# Altium PCB EPS.PcbDoc (part 6 of 11) (continued)
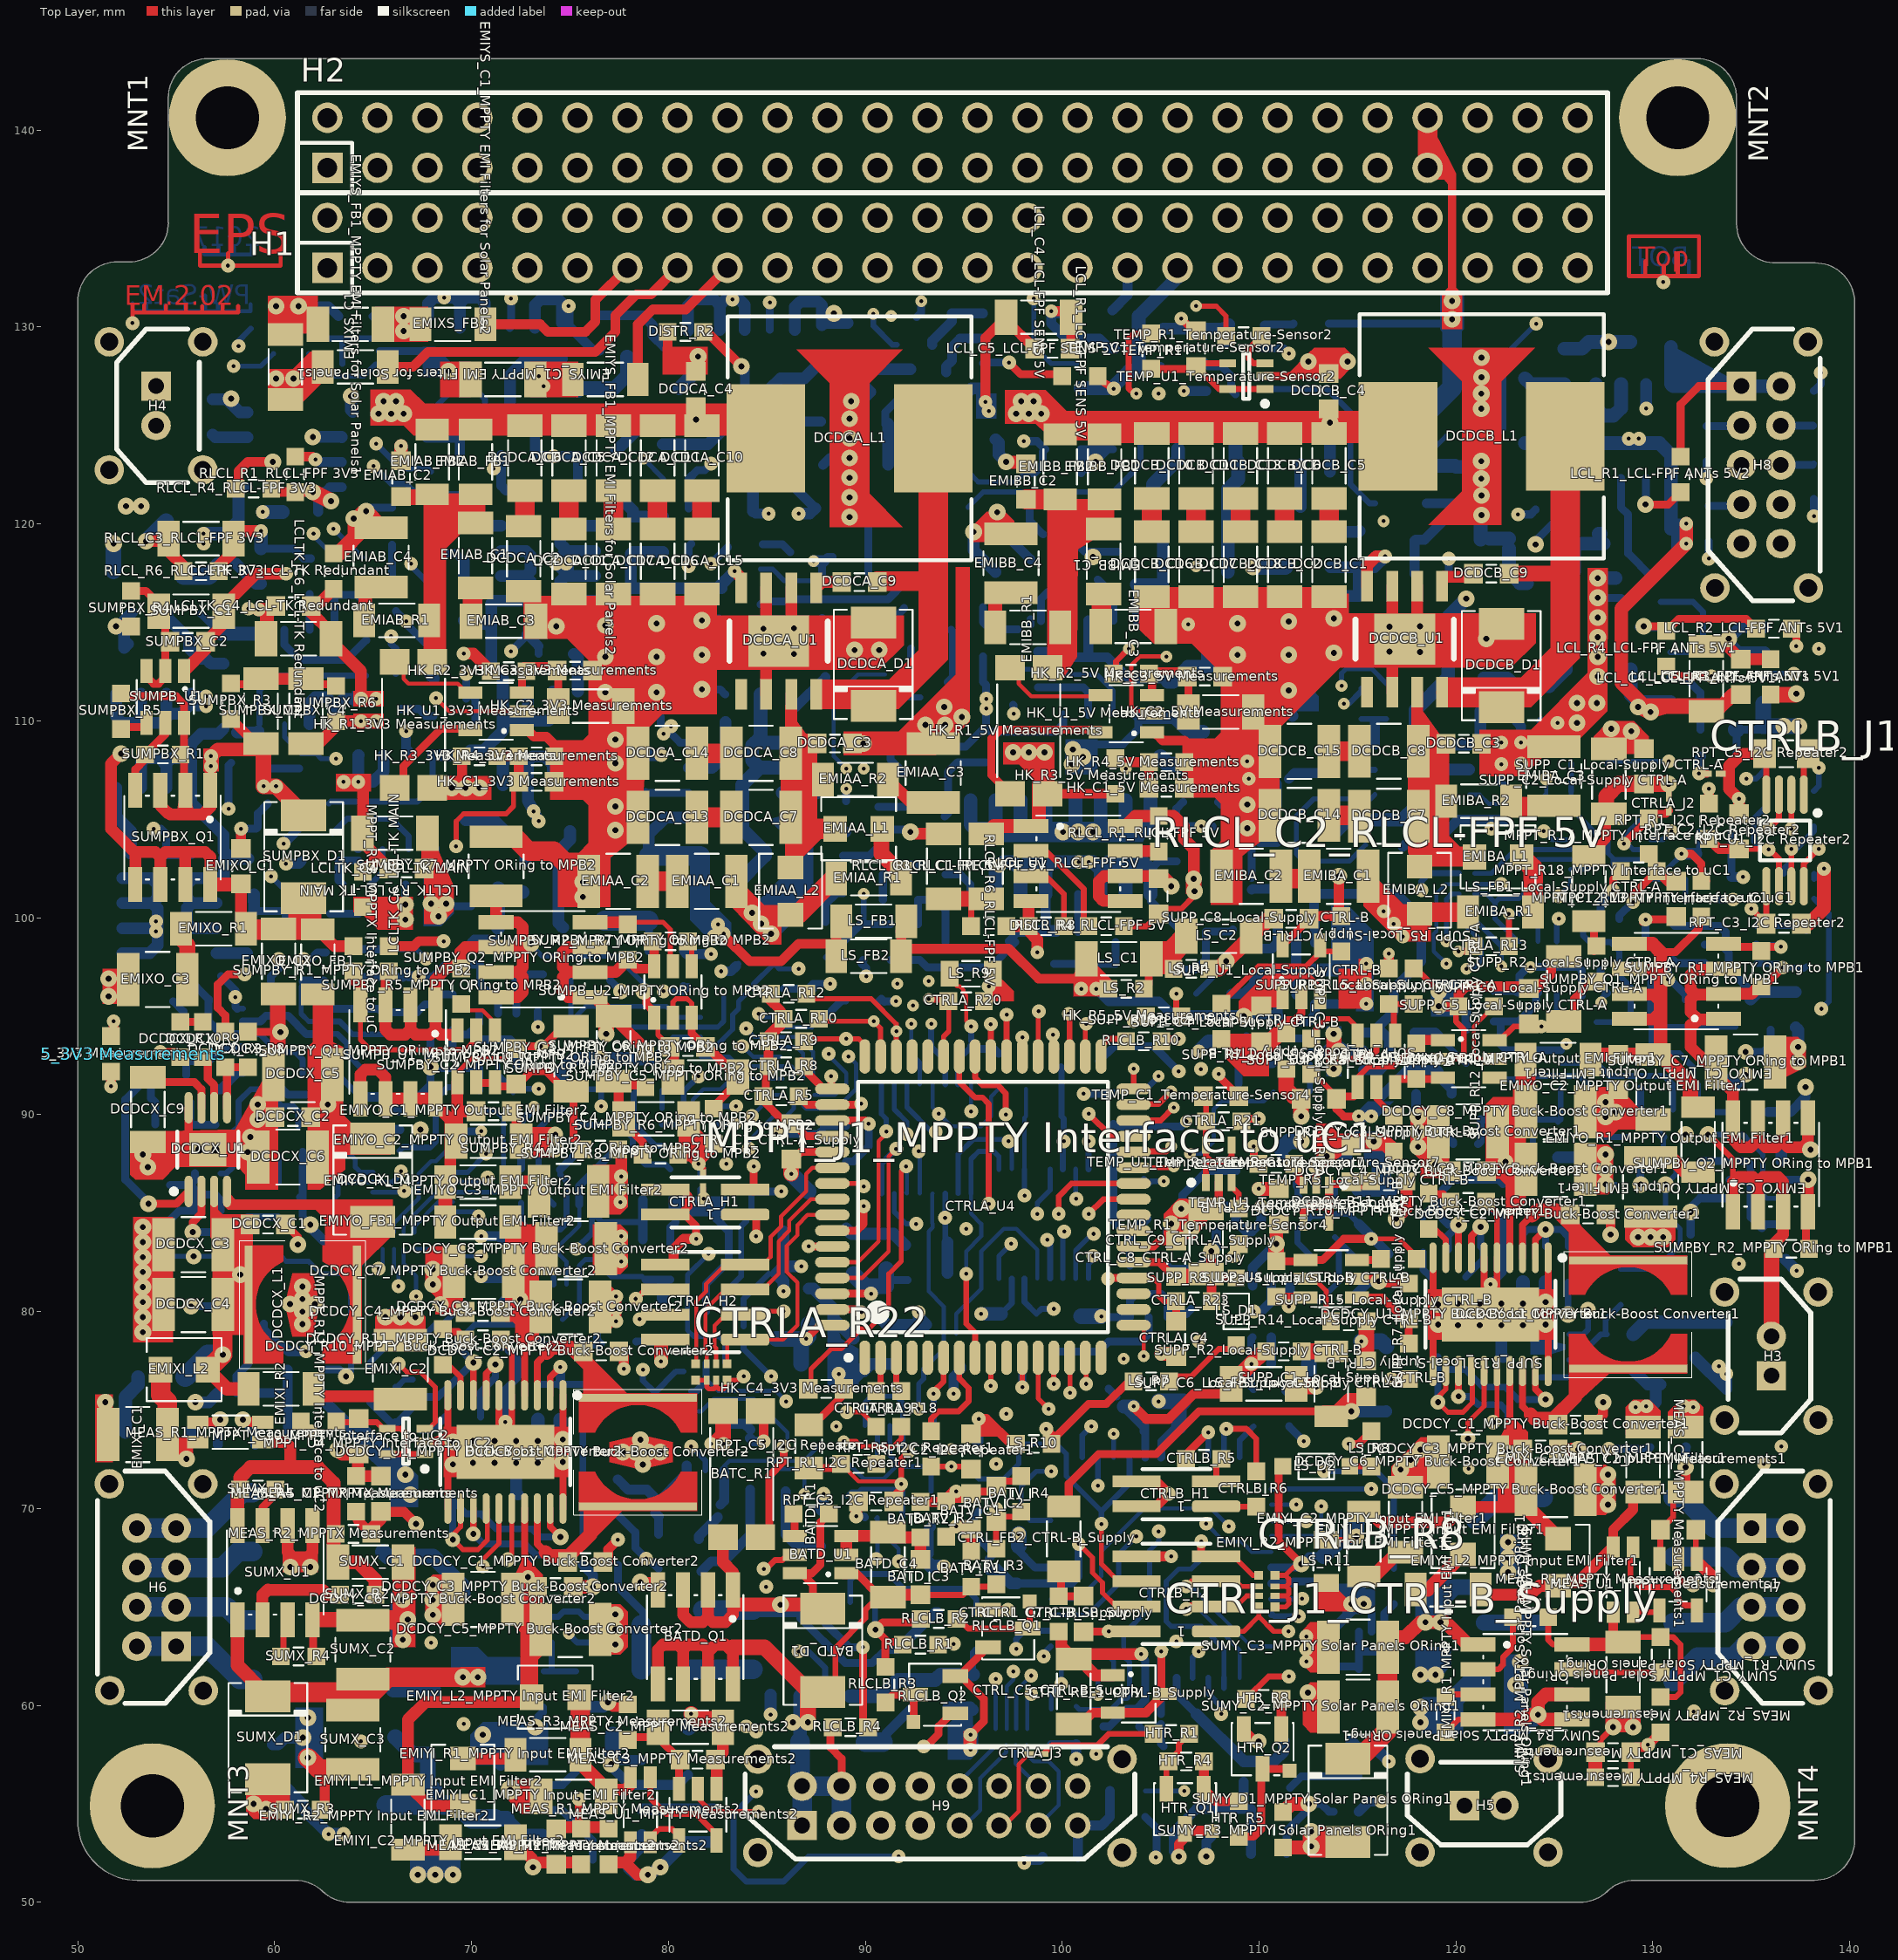
[diagram p0: Top Layer view]
## Nets (pads, with @x,y where several pads share a name; then routed paths per layer and width w, separated by ;. In a path a pad name is that pad's centre, name@x,y a point inside that pad or via, vN(x,y) a via of type N, cw(c..) or ccw(c..) an arc to the next point about the centre after c; other vN are vias at no path point) (continued)
  Top Layer w0.8: 83.274,62.954 84.874,62.954 BATD_D1.A@87.268,60.56 ; v2(87.084,59.144) 87.084,60.541 87.103,60.56 BATD_D1.A@87.268,60.56 ; BATD_D1.A@87.963,60.56 BATD_D1.A@87.268,60.56
  Bottom Layer w0.7: RLCLB_C5.1@86.688,58.144 RLCLB_U1.8@86.688,60.467
  Bottom Layer w1: RLCLB_C5.1@86.688,58.144 86.688,56.001 H9.9@86.79,55.898 ; H9.1@86.79,53.898 H9.9@86.79,55.898 ; H9.2@88.79,53.898 H9.10@88.79,55.898 H9.9@86.79,55.898
  other v2: 86.322,59.144
NetBATD_C3_2: BATD_C3.2 BATD_C4.2 BATD_R2.1 BATD_U1.2 BATD_U1.3 | length 6.2
  Top Layer w0.6: BATD_U1.2@89.029,67.653 89.029,68.476 88.902,68.603 BATD_U1.3@89.029,68.603 90.956,68.603 BATD_C4.2@91.148,68.795 91.412,68.531 BATD_R2.1@92.799,68.531 BATD_C3.2@92.799,67.41
NetBATD_Q1_G: BATD_Q1.G BATD_U1.5 | length 8.8
  Top Layer w0.3: v1(84.836,66.929) 84.963,66.929 85.407,67.373 85.788,67.373 BATD_U1.5@85.941,67.526
  Top Layer w0.5: v2(78.575,66.256) 79.355,66.256 BATD_Q1.G@79.469,66.37
  Power w0.3: v2(78.575,66.256) 84.163,66.256 v1(84.836,66.929)
NetBATD_R1_2: BATD_R1.2 BATD_U1.4 | length 0.7
  Top Layer w0.4: BATD_U1.4@86.409,68.603 BATD_R1.2@86.409,69.275
NetCTRL_C3_CTRL-A_Supply_1: CTRL_C3_CTRL-A_Supply.1 CTRL_C4_CTRL-A_Supply.1 CTRL_FB1_CTRL-A_Supply.2 CTRLA_U4.64 | length 5.6
  Top Layer w0.4: v1(86.995,78.613) 87.688,79.306 CTRLA_U4.64@88.324,79.306
  Bottom Layer w0.4: CTRL_C4_CTRL-A_Supply.1@86.995,79.491 CTRL_C4_CTRL-A_Supply.1@87.122,79.618
  Bottom Layer w0.8: CTRL_FB1_CTRL-A_Supply.2@85.471,78.614 v1(86.995,78.613) 87.122,78.742 CTRL_C4_CTRL-A_Supply.1@87.122,79.364 ; CTRL_C3_CTRL-A_Supply.1@86.741,77.342 86.741,78.613 v1(86.995,78.613)
NetCTRL_C3_CTRL-B_Supply_1: CTRL_C3_CTRL-B_Supply.1 CTRL_C4_CTRL-B_Supply.1 CTRL_FB1_CTRL-B_Supply.2 CTRLB_U1.27 | length 8.4
  Bottom Layer w0.4: CTRLB_U1.27@105.817,61.393 105.817,60.552 CTRL_C4_CTRL-B_Supply.1@106.818,59.551
  Bottom Layer w0.6: CTRL_C4_CTRL-B_Supply.1@106.818,59.551 109.219,57.15 110.744,57.15 111.253,57.659 CTRL_FB1_CTRL-B_Supply.2@111.253,58.166
NetCTRL_C5_CTRL-A_Supply_1: CTRL_C5_CTRL-A_Supply.1 CTRL_C6_CTRL-A_Supply.1 CTRL_R1_CTRL-A_Supply.1 CTRL_REF1_CTRL-A_Supply.1 CTRLA_U4.62 | length 7.3
  Top Layer w0.4: CTRLA_U4.62@88.324,80.906 v1(90.29,80.906)
  Bottom Layer w0.4: CTRL_C6_CTRL-A_Supply.1@91.059,81.291 91.368,81.6 CTRL_REF1_CTRL-A_Supply.1@92.141,81.6
  Bottom Layer w0.7: CTRL_C5_CTRL-A_Supply.1@89.408,81.914 89.408,81.788 v1(90.29,80.906)
  Bottom Layer w0.8: CTRL_C5_CTRL-A_Supply.1@89.408,81.914 90.031,81.291 91.059,81.291 CTRL_R1_CTRL-A_Supply.1@91.059,82.158
NetCTRL_C7_CTRL-A_Supply_1: CTRL_C7_CTRL-A_Supply.1 CTRL_FB2_CTRL-A_Supply.2 CTRL_R1_CTRL-A_Supply.2 | length 3.3
  Bottom Layer w0.6: CTRL_FB2_CTRL-A_Supply.2@89.026,84.212 89.291,83.947 91.44,83.947 CTRL_C7_CTRL-A_Supply.1@92.011,83.376
NetCTRL_C7_CTRL-B_Supply_1: CTRL_C7_CTRL-B_Supply.1 CTRL_FB2_CTRL-B_Supply.2 CTRL_R1_CTRL-B_Supply.2 | length 2.7
  Top Layer w0.4: CTRL_FB2_CTRL-B_Supply.2@100.33,66.803 99.949,66.422 99.949,65.543 CTRL_C7_CTRL-B_Supply.1@101.092,65.543 CTRL_C7_CTRL-B_Supply.1@101.219,65.543
NetCTRLA_C2_1: CTRLA_C2.1 CTRLA_R14.1 CTRLA_R15.2 CTRLA_U3.6 | length 5.3
  Bottom Layer w0.3: CTRLA_R14.1@99.938,92.456 99.96,92.434 CTRLA_R15.2@99.96,91.186 CTRLA_C2.1@99.96,89.916 100.076,89.8 v1(100.076,88.646) 100.035,88.605 CTRLA_U3.6@100.035,87.23
NetCTRLA_H1_1: CTRLA_H1.1 CTRLA_R18.2 | length 19.4
  Top Layer w0.254: v3(88.9,73.406) 89.535,73.406 89.789,73.152 91.44,73.152 91.821,73.533 CTRLA_R18.2@91.821,74.157 CTRLA_R18.2@91.832,74.168
  Top Layer w0.4: CTRLA_H1.1@83.857,84.963 CTRLA_H1.1@83.895,84.925 ; CTRLA_H1.1@84.201,84.836 CTRLA_H1.1@84.328,84.963 ; v1(84.455,83.82) 84.455,84.709 CTRLA_H1.1@84.582,84.836
  Top Layer w0.5: CTRLA_R18.2@91.832,74.168 CTRLA_R18.2@91.959,74.295
  Signal 1 w0.254: v1(84.455,83.82) 84.455,80.264 85.598,79.121 86.233,79.121 86.487,79.375 87.376,79.375 87.757,78.994 87.757,73.787 88.138,73.406 v3(88.9,73.406)
NetCTRLA_H1_3: CTRLA_H1.3 CTRLA_R19.2 | length 18.3
  Top Layer w0.254: v1(89.072,74.893) 89.815,74.893 CTRLA_R19.2@90.551,74.157
  Top Layer w0.4: CTRLA_H1.3@83.857,86.233 CTRLA_H1.3@83.895,86.195 ; CTRLA_H1.3@84.328,86.106 84.201,86.233 84.328,86.36 v1(84.328,87.376)
  Signal 1 w0.254: v1(84.328,87.376) 84.328,85.598 85.852,84.074 85.852,82.169 89.662,78.359 89.662,75.311 89.244,74.893 v1(89.072,74.893)
NetCTRLA_J3_1: CTRLA_J3.1 H9.6 | length 4.4
  Top Layer w0.208: H9.6@96.79,53.898 97.078,53.898 97.79,54.61 97.79,57 CTRLA_J3.1@98.321,57.531
NetCTRLA_R3_2: CTRLA_R3.2 CTRLA_R6.2 CTRLA_U1.2 | length 5.9
  Bottom Layer w0.4: CTRLA_R3.2@99.706,77.978 99.717,77.967 CTRLA_R6.2@100.965,77.967 101.843,77.967 102.362,78.486 104.013,78.486 104.394,78.867 CTRLA_U1.2@104.394,79.716
NetCTRLA_R4_1: CTRLA_R4.1 CTRLA_R7.2 CTRLA_R13.1 CTRLA_R17.1 CTRLA_R25.1 CTRLA_U1.4 | length 37.8
  Top Layer w0.35: v3(120.142,98.298) CTRLA_R13.1@120.639,98.298
  Top Layer w0.4: CTRLA_R13.1@120.639,98.298 CTRLA_R13.1@120.893,98.552
  Control Signals 1 w0.208: v3(106.299,89.662) 106.807,89.662 112.649,95.504 112.649,97.79 117.221,102.362 119.253,102.362 120.142,101.473 v3(120.142,98.298)
  Bottom Layer w0.4: CTRLA_R4.1@102.605,89.535 102.605,84.582 CTRLA_R7.2@103.494,83.693 ; CTRLA_R4.1@102.616,89.397 CTRLA_R25.1@104.013,89.397 106.034,89.397 v3(106.299,89.662) ; CTRLA_U1.4@103.444,82.336 103.444,83.643 CTRLA_R7.2@103.494,83.693 ; CTRLA_R7.2@103.494,83.936 CTRLA_R7.2@103.494,83.693 ; CTRLA_R17.1@104.267,84.709 CTRLA_R17.1@104.267,84.952
  Bottom Layer w0.5: CTRLA_R7.2@103.494,83.936 CTRLA_R17.1@104.267,84.709
NetCTRLA_R16_1: CTRLA_R16.1 H9.7 | length 5.6
  Bottom Layer w0.208: CTRLA_R16.1@98.196,57.975 98.196,57.506 98.552,57.15 99.314,57.15 99.822,56.642 99.822,54.93 H9.7@98.79,53.898
NetCTRLA_R16_2: CTRLA_R16.2 H9.15 | length 2.6
  Bottom Layer w0.208: CTRLA_R16.2@97.638,57.975 97.638,57.051 H9.15@98.79,55.898
NetCTRLA_R16_3: CTRLA_R16.3 H9.5 | length 5.2
  Bottom Layer w0.208: H9.5@94.79,53.898 95.046,53.898 95.833,54.685 95.833,56.302 97.154,57.623 97.154,57.657 97.155,57.658 CTRLA_R16.3@97.155,57.975
NetCTRLA_R16_4: CTRLA_R16.4 H9.13 | length 2.8
  Bottom Layer w0.208: H9.13@94.79,55.898 94.79,56.106 CTRLA_R16.4@96.596,57.912
NetCTRLA_R17_2: CTRLA_R17.2 H9.14 | length 46.8
  Signal 1 w0.3: v3(105.156,86.614) 106.172,86.614 109.474,83.312 109.474,82.042 106.934,79.502 v1(106.934,78.486)
  Signal 2 w0.3: H9.14@96.79,55.898 96.79,56.118 95.885,57.023 92.71,57.023 91.948,57.785 91.948,59.69 93.218,60.96 94.615,60.96 95.758,62.103 95.758,64.77 101.219,70.231 102.235,70.231 106.934,74.93 v1(106.934,78.486)
  Bottom Layer w0.3: CTRLA_R17.2@104.14,86.752 104.405,86.487 104.532,86.614 v3(105.156,86.614)
NetCTRLA_R18_1: CTRLA_R18.1 CTRLA_U4.3 | length 1.8
  Top Layer w0.3: CTRLA_U4.3@91.574,77.656 91.574,76.204 CTRLA_R18.1@91.821,75.957
NetCTRLA_R19_1: CTRLA_R19.1 CTRLA_U4.2 | length 1.7
  Top Layer w0.3: CTRLA_R19.1@90.774,75.946 CTRLA_U4.2@90.774,77.656
NetCTRLA_R21_1: CTRLA_R21.1 TEMP_C1_Temperature-Sensor4.1 TEMP_U1_Temperature-Sensor4.1 TEMP_U1_Temperature-Sensor4.4 TEMP_U1_Temperature-Sensor4.5 | length 6.6
  Top Layer w0.3: TEMP_U1_Temperature-Sensor4.1@107.3,86.553 107.3,87.899 ; CTRLA_R21.1@107.304,89.662 CTRLA_R21.1@107.304,89.789 ; TEMP_C1_Temperature-Sensor4.1@107.304,90.932 CTRLA_R21.1@107.304,89.789 ; TEMP_U1_Temperature-Sensor4.4@108.6,88.453 108.6,87.899 108.331,87.63 107.569,87.63 107.3,87.899 ; 107.3,87.899 TEMP_U1_Temperature-Sensor4.5@107.3,88.453 107.3,89.785 CTRLA_R21.1@107.304,89.789
NetCTRLA_U2_1: CTRLA_U2.1 CTRLA_U3.1 CTRLA_U4.8 | length 13.1
  Top Layer w0.3: v1(95.123,81.915) 95.123,79.375 95.574,78.924 CTRLA_U4.8@95.574,77.656
  Bottom Layer w0.208: v1(95.123,81.915) 95.123,83.058 95.885,83.82 95.885,84.455 95.366,84.974 CTRLA_U2.1@95.366,85.998
  Bottom Layer w0.254: CTRLA_U2.1@95.366,85.998 95.366,87.746 95.758,88.138 96.52,88.138 96.785,87.873 CTRLA_U3.1@96.785,87.23
NetCTRLA_U2_8: CTRLA_U2.8 CTRLA_U4.61 | length 11.4
  Top Layer w0.208: CTRLA_U4.61@88.324,81.706 89.834,81.706 91.186,83.058 91.186,87.884 v1(91.567,88.265)
  Bottom Layer w0.3: CTRLA_U2.8@90.816,85.998 90.816,87.514 v1(91.567,88.265)
NetCTRLA_U2_9: CTRLA_U2.9 CTRLA_U4.60 | length 11
  Top Layer w0.208: CTRLA_U4.60@88.324,82.506 89.618,82.506 90.678,83.566 90.678,88.646 v1@91.063,89.031
  Top Layer w0.3: v1@91.063,89.031 v1(91.063,89.15)
  Bottom Layer w0.254: CTRLA_U2.9@90.816,91.548 90.816,90.032 91.063,89.785 v1(91.063,89.15)
NetCTRLA_U2_16: CTRLA_U2.16 CTRLA_U3.16 CTRLA_U4.9 | length 23.9
  Top Layer w0.254: v1(96.374,76.219) CTRLA_U4.9@96.374,77.656
  Signal 2 w0.3: v1(95.377,90.17) 95.377,90.932 95.758,91.313 97.536,91.313 98.044,90.805 98.044,87.376 97.382,86.714 97.382,83.466 v1(97.409,83.439) 97.409,79.883 96.374,78.848 v1(96.374,76.219)
  Bottom Layer w0.208: v1@95.366,90.181 CTRLA_U2.16@95.366,91.548
  Bottom Layer w0.254: CTRLA_U3.16@96.785,81.68 96.785,82.815 v1(97.409,83.439)
  Bottom Layer w0.3: v1@95.366,90.181 v1(95.377,90.17)
NetCTRLA_U3_8: CTRLA_U3.8 CTRLA_U4.59 | length 25.1
  Top Layer w0.4: v1(87.122,83.312) 87.128,83.306 CTRLA_U4.59@88.324,83.306
  Signal 2 w0.3: v1(87.122,83.312) 87.122,84.582 89.662,87.122 90.805,87.122 91.313,86.614 93.472,86.614 94.488,87.63 94.488,91.059 95.504,92.075 97.917,92.075 v1(101.346,88.646)
  Bottom Layer w0.3: CTRLA_U3.8@101.335,87.23 101.335,88.635 v1(101.346,88.646)
NetCTRLA_U3_9: CTRLA_U3.9 CTRLA_U4.58 | length 17.1
  Top Layer w0.4: CTRLA_U4.58@88.324,84.106 89.567,84.106 89.916,84.455 v1(89.916,85.344)
  Power w0.254: v1@101.572,82.776 v1(101.572,82.832)
  Control Signals 2 w0.254: v1(89.916,85.344) 92.202,83.058 95.377,83.058 96.139,82.296 101.035,82.296 v1(101.572,82.832)
  Bottom Layer w0.254: CTRLA_U3.9@101.335,81.68 101.335,82.412 101.6,82.677 101.572,82.705 v1(101.572,82.832)
NetCTRLA_U4_6: "RPT_R3_I2C Repeater1.2" CTRLA_U4.6 | length 4
  Top Layer w0.3: v1(93.472,75.819) 93.472,75.946 93.974,76.448 CTRLA_U4.6@93.974,77.656
  Bottom Layer w0.3: 93.345,73.925 93.472,74.052 v1(93.472,75.819)
NetCTRLA_U4_7: "RPT_R5_I2C Repeater1.2" CTRLA_U4.7 | length 5.3
  Top Layer w0.3: 93.345,73.925 93.61,73.925 ; 93.345,74.168 93.345,74.549 93.726,74.93 94.742,74.93 95.25,75.438 95.25,76.116 94.774,76.592 CTRLA_U4.7@94.774,77.656
NetCTRLA_U4_14: CTRLA_U4.14 SEL_R4.1 | length 51.1
  Top Layer w0.254: CTRLA_U4.14@100.374,77.656 100.471,77.559 100.393,77.481 v1(100.393,75.875)
  Signal 1 w0.208: v3(93.218,96.774) 93.98,96.774 94.615,96.139 94.615,93.599 96.266,91.948 96.266,87.757 97.409,86.614 101.092,86.614 102.489,85.217 102.489,84.074 103.505,83.058 103.505,81.534 102.743,80.772 101.6,80.772 100.393,79.566 v1(100.393,75.875)
  Control Signals 1 w0.208: v3(89.027,107.569) 90.17,106.426 90.17,104.902 93.218,101.854 v3(93.218,96.774)
  Bottom Layer w0.208: v3(89.027,107.569) 88.392,108.204 88.392,111.125 89.624,112.357 SEL_R4.1@91.01,112.357
NetCTRLA_U4_15: CTRLA_U4.15 SEL_R6.2 | length 74.3
  Top Layer w0.254: CTRLA_U4.15@101.174,77.656 101.092,77.574 101.219,77.447 v1(101.219,76.327)
  Control Signals 2 w0.208: v1(101.219,76.327) 105.41,76.327 106.172,75.565 110.49,75.565 114.427,79.502 114.427,84.709 116.84,87.122 116.84,89.916 121.539,94.615 121.539,99.695 112.776,108.458 112.776,116.332 107.95,121.158 107.95,124.979 v3(106.172,126.757)
  Bottom Layer w0.5: v3(106.172,126.757) SEL_R6.2@107.315,126.757
NetCTRLA_U4_17: "SUPP_R13_Local-Supply CTRL-A.2" CTRLA_U4.17 | length 31.3
  Top Layer w0.208: CTRLA_U4.17@103.624,79.306 CTRLA_U4.17@103.828,79.306 ; v3(104.14,77.724) CTRLA_U4.17@104.14,79.248
  Top Layer w0.5: 116.586,97.42 v3(116.586,98.171)
  Control Signals 2 w0.208: v3(104.14,77.724) 104.14,78.74 104.902,79.502 106.807,79.502 109.474,82.169 109.474,83.312 111.252,85.09 111.252,90.678 112.649,92.075 112.649,97.028 114.3,98.679 116.078,98.679 v3(116.586,98.171)
NetCTRLB_C1_1: CTRLB_C1.1 CTRLB_R3.1 CTRLB_R4.2 CTRLB_U1.35 | length 56.5
  Power w0.3: v1(97.663,62.865) 98.679,63.881 99.949,63.881 101.346,62.484 101.346,61.722 101.887,61.181 109.507,61.181 111.125,59.563 113.665,59.563 116.586,62.484 116.586,71.374 115.57,72.39 115.57,73.406 114.935,74.041 114.173,74.041 113.681,74.533 113.681,76.819 112.649,77.851 112.649,84.201 111.52,85.33 v1(110.109,85.33)
  Bottom Layer w0.3: v1(97.663,62.865) 97.663,63.373 98.083,63.793 CTRLB_U1.35@99.417,63.793
  Bottom Layer w0.5: CTRLB_C1.1@107.569,85.333 CTRLB_R4.2@108.839,85.333 108.839,84.582 109.347,84.074 CTRLB_R3.1@109.623,84.074 110.109,84.56 v1(110.109,85.33)
NetCTRLB_C5_1: CTRLB_C5.1 CTRLB_R9.1 CTRLB_R11.1 H9.8 | length 4.7
  Bottom Layer w0.5: CTRLB_C5.1@100.798,52.299 100.798,53.89 H9.8@100.79,53.898 101.995,53.898 CTRLB_R9.1@102.427,54.331 CTRLB_R11.1@102.427,55.651
NetCTRLB_H1_1: CTRLB_H1.1 CTRLB_R6.1 | length 2
  Top Layer w0.3: CTRLB_H1.1@107.823,70.105 107.835,70.093 CTRLB_R6.1@109.855,70.093
NetCTRLB_H1_3: CTRLB_H1.3 CTRLB_R5.1 | length 1.1
  Top Layer w0.3: CTRLB_H1.3@107.823,71.375 107.823,72.506 CTRLB_R5.1@107.834,72.517
NetCTRLB_R5_2: CTRLB_R5.2 CTRLB_U1.9 | length 3.5
  Top Layer w0.3: CTRLB_R5.2@106.034,72.517 CTRLB_R5.2@106.288,72.517 CTRLB_R5.2@106.288,72.76
  Top Layer w0.4: CTRLB_R5.2@106.288,72.76 107.39,73.862 v1(107.417,73.862)
  Bottom Layer w0.3: v1@107.315,73.964 v1(107.417,73.862) CTRLB_U1.9@107.417,72.593
NetCTRLB_R6_2: CTRLB_R6.2 CTRLB_U1.10 | length 5.1
  Top Layer w0.3: v1(108.331,74.041) 109.347,74.041 109.855,73.533 CTRLB_R6.2@109.855,71.893
  Bottom Layer w0.3: CTRLB_U1.10@108.217,72.593 108.217,74.181 108.331,74.067 v1(108.331,74.041)
NetCTRLB_R10_1: CTRLB_R10.1 TEMP_C1_Temperature-Sensor5.1 TEMP_U1_Temperature-Sensor5.1 TEMP_U1_Temperature-Sensor5.4 TEMP_U1_Temperature-Sensor5.5 | length 6.9
  Bottom Layer w0.4: TEMP_C1_Temperature-Sensor5.1@113.665,61.965 114.946,61.965 TEMP_U1_Temperature-Sensor5.5@115.062,61.849 115.062,62.738 ; TEMP_U1_Temperature-Sensor5.1@115.062,63.749 115.062,62.738 ; CTRLB_R10.1@116.713,60.463 116.362,60.814 TEMP_U1_Temperature-Sensor5.4@116.362,61.849 116.362,62.454 116.078,62.738 115.062,62.738
NetCTRLB_U1_1: "MPPT_R16_MPPTX Interface to uC.2" "MPPT_U5_MPPTX Interface to uC.5" CTRLB_U1.1 | length 74.6
  Signal 1 w0.254: v1(73.406,91.313) 72.771,91.313 72.263,90.805 72.263,81.788 70.739,80.264 69.723,80.264 68.072,78.613 66.167,78.613 65.405,77.851 65.405,76.962 66.802,75.565 66.802,73.416 68.326,71.892 68.326,68.142 68.758,67.71 70.809,65.659 73.914,65.659 75.184,66.929 76.708,66.929 78.74,64.897 83.312,64.897 84.441,66.026 v1(84.963,66.026)
  Signal 2 w0.254: v1(84.963,66.026) 91.553,66.026 93.726,68.199 94.996,68.199 95.377,68.58 95.377,69.723 98.298,72.644 99.949,72.644 v1(101.473,74.168)
  Bottom Layer w0.254: 71.336,92.24 71.336,92.505
  Bottom Layer w0.3: 71.336,92.24 71.336,92.036 72.096,91.275 ; 72.109,91.148 72.108,91.154 72.108,91.162 72.096,91.275 ; v1(73.406,91.313) 72.134,91.313 72.096,91.275 ; CTRLB_U1.1@101.017,72.593 101.017,73.712 v1(101.473,74.168)
NetCTRLB_U1_2: "MPPT_R16_MPPTY Interface to uC1.2" "MPPT_U5_MPPTY Interface to uC1.5" CTRLB_U1.2 | length 48.1
  Control Signals 2 w0.3: v1(101.817,71.157) 102.796,72.136 112.141,72.136 112.649,72.644 113.919,72.644 114.3,72.263 115.57,72.263 117.856,74.549 117.856,84.328 119.888,86.36 119.888,91.567 124.028,95.707 v3(127.368,95.707)
  Bottom Layer w0.3: v1(101.817,71.157) CTRLB_U1.2@101.817,72.593 ; v3(127.368,95.707) 127.368,95.872 127.666,96.17
  Bottom Layer w0.4: 127.343,97.331 127.343,96.493 127.666,96.17
NetCTRLB_U1_3: "MPPT_R16_MPPTY Interface to uC2.2" "MPPT_U5_MPPTY Interface to uC2.5" CTRLB_U1.3 | length 42.4
  Power w0.254: v3(94.361,73.025) v3@94.361,73.062
  Signal 1 w0.254: v1(85.979,75.438) 82.169,75.438 80.473,73.742 80.473,72.308 84.328,68.453 90.297,68.453 92.837,70.993 92.837,72.263 93.599,73.025 v3(94.361,73.025)
  Control Signals 2 w0.3: v3(94.361,73.025) 94.742,73.406 97.282,73.406 97.79,72.898 101.729,72.898 v3(102.617,73.786)
  Bottom Layer w0.208: 81.915,76.454 82.042,76.454 82.52,75.976 85.441,75.976 v1(85.979,75.438)
  Bottom Layer w0.254: CTRLB_U1.3@102.617,72.593 v3(102.617,73.786)
  Bottom Layer w0.3: 81.164,75.946 81.407,75.946
  Bottom Layer w0.35: 81.407,75.946 81.915,76.454 81.915,77.392
NetCTRLB_U1_13: CTRLB_U1.13 SEL_R5.1 | length 59.6
  Signal 1 w0.208: v3(89.027,106.553) 89.027,105.918 92.202,102.743 94.107,102.743 96.393,100.457 98.298,100.457 101.219,97.536 105.918,97.536 107.569,95.885 110.363,95.885 111.125,95.123 111.125,92.71 113.284,90.551 113.284,89.535 114.427,88.392 114.427,80.772 117.475,77.724 117.475,74.803 113.538,70.866 112.56,70.866 v1(111.887,70.193)
  Bottom Layer w0.208: CTRLB_U1.13@110.617,70.193 v1(111.887,70.193)
  Bottom Layer w0.4: SEL_R5.1@89.027,105.918 v3(89.027,106.553)
NetCTRLB_U1_14: CTRLB_U1.14 SEL_R7.2 | length 77.6
  Signal 1 w0.208: v1(82.169,117.983) 82.169,117.094 83.439,115.824 83.439,113.157 86.614,109.982 89.803,109.982 91.059,108.726 91.059,106.807 96.393,101.473 98.298,101.473 101.473,98.298 106.172,98.298 107.95,96.52 111.252,96.52 112.395,95.377 112.395,92.329 113.792,90.932 113.792,89.789 114.935,88.646 114.935,81.28 118.11,78.105 118.11,74.549 114.808,71.247 114.808,70.485 113.665,69.342 v1(112.395,69.342)
  Bottom Layer w0.208: SEL_R7.2@83.009,118.823 SEL_R7.2@83.009,119.088 ; CTRLB_U1.14@110.617,69.393 110.668,69.342 v1(112.395,69.342)
  Bottom Layer w0.4: v1(82.169,117.983) SEL_R7.2@83.009,118.823
NetCTRLB_U1_19: "RPT_R3_I2C Repeater2.2" CTRLB_U1.19 | length 96.3
  Signal 1 w0.208: v1(132.08,59.69) 132.461,59.309 135.255,59.309 138.43,62.484 138.43,69.342 136.906,70.866 136.906,72.009 137.414,72.517 137.414,73.533 137.033,73.914 137.033,75.311 137.414,75.692 137.414,79.502 136.525,80.391 136.525,82.677 139.192,85.344 139.192,94.742 v1(138.557,95.377)
  Signal 2 w0.208: v1(112.186,65.419) 111.012,65.419 109.855,64.262 109.855,59.817 111.125,58.547 111.125,52.578 112.776,50.927 125.095,50.927 126.746,52.578 126.746,59.69 127.508,60.452 130.556,60.452 131.318,59.69 v1(132.08,59.69)
  Bottom Layer w0.3: CTRLB_U1.19@110.617,65.393 112.16,65.393 v1(112.186,65.419) ; 138.187,100.965 138.938,100.214 138.938,95.758 v1(138.557,95.377)
NetCTRLB_U1_20: "RPT_R5_I2C Repeater2.2" CTRLB_U1.20 | length 99.6
  Signal 1 w0.208: v1(134.366,82.423) 137.16,85.217 137.16,86.392 137.152,86.4 137.152,89.019 137.541,89.408 138.049,89.408 138.684,90.043 138.684,93.726 137.795,94.615 137.795,98.933 137.287,99.441 133.731,99.441 133.223,99.949 133.223,102.743 135.128,104.648 135.128,106.68 v1(134.747,107.061)
  Signal 2 w0.208: v1(112.014,64.516) 111.125,64.516 110.49,63.881 110.49,60.325 113.665,57.15 113.665,52.451 114.681,51.435 121.666,51.435 125.984,55.753 125.984,59.944 127.381,61.341 130.429,61.341 133.765,64.677 133.765,67.022 133.223,67.564 131.826,67.564 130.915,68.475 130.915,80.242 133.096,82.423 v1(134.366,82.423)
  Bottom Layer w0.3: CTRLB_U1.20@110.617,64.593 110.667,64.643 110.794,64.516 v1(112.014,64.516) ; v1(134.747,107.061) 135.244,107.061 135.763,107.58
NetCTRLB_U1_42: "SUPP_R13_Local-Supply CTRL-B.2" CTRLB_U1.42 | length 27.3
  Top Layer w0.5: v1(116.713,76.581) 117.591,76.581 117.602,76.57
  Signal 1 w0.254: v1(99.441,71.882) 100.076,72.517 100.076,74.549 100.965,75.438 101.727,75.438 102.997,76.708 106.172,76.708 106.68,76.2 110.744,76.2 112.014,77.47 113.665,77.47 114.554,76.581 v1(116.713,76.581)
  Bottom Layer w0.254: CTRLB_U1.42@99.417,69.393 98.374,69.393 97.917,69.85 97.917,71.12 98.679,71.882 v1(99.441,71.882)
NetDCDCA_C1_2: DCDCA_C1.2 DCDCA_C5.1 | length 2
  Top Layer w1: DCDCA_C1.2@74.95,119.75 DCDCA_C5.1@74.95,121.7
NetDCDCA_C2_2: DCDCA_C2.2 DCDCA_C6.1 | length 1.4
  Top Layer w1: DCDCA_C2.2@72.7,120.269 DCDCA_C6.1@72.7,121.7
NetDCDCA_C3_1: DCDCA_C3.1 DCDCA_C7.1 DCDCA_C8.1 DCDCA_U1.7 EMIAA_L1.1 EMIAA_L2.1 EMIAA_R2.2 | length 7.8
  Top Layer w0.6: DCDCA_C8.1@86.2,108.35 86.235,108.385 DCDCA_U1.7@86.235,111.35
  Top Layer w1: DCDCA_C7.1@86.2,105.1 DCDCA_C8.1@86.2,108.35 ; DCDCA_C8.1@86.235,108.385 86.7,108.85 DCDCA_C3.1@87.55,108.85
NetDCDCA_C4_1: DCDCA_C4.1 DCDCA_C5.2 DCDCA_C6.2 DCDCA_C10.1 DCDCA_C11.1 DCDCA_C12.1 DCDCA_L1.1 DCDCA_R1.2 EMIAB_FB1.2 EMIAB_FB2.2 | length 4.7
  Bottom Layer w0.6: DCDCA_R1.2@77.343,123.709 78.934,125.3 v2(81.4,125.3)
  other v2: 65.278,125.603 65.913,125.603 66.548,125.603 65.532,126.238 66.167,126.238
NetDCDCA_C7_2: DCDCA_C7.2 DCDCA_C13.1 | length 1.8
  Top Layer w1: DCDCA_C13.1@81.45,105.1 DCDCA_C7.2@83.2,105.1
NetDCDCA_C8_2: DCDCA_C8.2 DCDCA_C14.1 | length 1.8
  Top Layer w1: DCDCA_C14.1@81.45,108.35 DCDCA_C8.2@83.2,108.35
NetDCDCA_C9_1: DCDCA_C9.1 DCDCA_D1.K DCDCA_L1.2 DCDCA_U1.8 | length 12.8
  Top Layer w1: DCDCA_C9.1@90.6,117.1 93.45,117.1
  Top Layer w1.5: 93.45,114.35 93.45,117.1 DCDCA_L1.2@93.45,124.35
NetDCDCA_C9_2: DCDCA_C9.2 DCDCA_U1.1 | length 1.4
  Top Layer w0.6: DCDCA_U1.1@87.505,116.75 87.805,117.05 DCDCA_C9.2@88.8,117.05
NetDCDCA_C10_2: DCDCA_C10.2 DCDCA_C15.1 | length 2
  Top Layer w1: DCDCA_C15.1@81.7,119.75 DCDCA_C10.2@81.7,121.7
NetDCDCA_C11_2: DCDCA_C11.2 DCDCA_C16.1 | length 2
  Top Layer w1: DCDCA_C16.1@79.45,119.75 DCDCA_C11.2@79.45,121.7
NetDCDCA_C12_2: DCDCA_C12.2 DCDCA_C17.1 | length 2
  Top Layer w1: DCDCA_C17.1@77.2,119.75 DCDCA_C12.2@77.2,121.7
NetDCDCA_C18_1: DCDCA_C18.1 DCDCA_R1.1 DCDCA_R2.2 | length 3.4
  Bottom Layer w0.6: DCDCA_R1.1@77.343,121.909 77.343,121.539 78.194,120.688 DCDCA_C18.1@78.194,120.38 79.707,120.38 DCDCA_R2.2@79.718,120.369
NetDCDCA_C18_2: DCDCA_C18.2 DCDCA_C19.1 DCDCA_C20.1 DCDCA_R2.1 DCDCA_R3.2 DCDCA_U1.4 | length 9.8
  Top Layer w0.6: v1(83.363,117.602) DCDCA_U1.4@83.655,117.31
  Bottom Layer w0.6: DCDCA_R2.1@79.718,118.569 79.707,118.58 DCDCA_C18.2@78.194,118.58 78.1,118.486 DCDCA_C19.1@78.1,116.75 DCDCA_R3.2@80.6,116.75 DCDCA_C20.1@82.259,116.75 ; DCDCA_C20.1@82.385,116.624 DCDCA_C20.1@82.259,116.75 ; DCDCA_C20.1@82.7,116.75 DCDCA_C20.1@82.511,116.75 ; v1(83.363,117.602) DCDCA_C20.1@82.511,116.75 ; DCDCA_C20.1@82.259,116.75 DCDCA_C20.1@82.511,116.75
NetDCDCA_C19_2: DCDCA_C19.2 DCDCA_R5.2 | length 1.3
  Bottom Layer w0.6: DCDCA_R5.2@78.1,113.65 DCDCA_C19.2@78.1,114.95
NetDCDCA_R3_1: DCDCA_R3.1 DCDCA_R4.2 | length 1.3
  Bottom Layer w0.6: DCDCA_R4.2@80.6,113.65 DCDCA_R3.1@80.6,114.95
NetDCDCB_C1_2: DCDCB_C1.2 DCDCB_C5.1 | length 1.7
  Top Layer w1: DCDCB_C1.2@113.55,119.6 DCDCB_C5.1@113.55,121.3
NetDCDCB_C2_2: DCDCB_C2.2 DCDCB_C6.1 | length 1.7
  Top Layer w1: DCDCB_C2.2@111.3,119.6 DCDCB_C6.1@111.3,121.3
NetDCDCB_C3_1: DCDCB_C3.1 DCDCB_C7.1 DCDCB_C8.1 DCDCB_U1.7 EMIBA_L1.1 EMIBA_L2.1 EMIBA_R2.2 | length 14
  Top Layer w0.6: DCDCB_U1.7@118.03,111.45 118.03,108.47 118.05,108.95 DCDCB_C3.1@119.5,108.95
  Top Layer w1: DCDCB_C8.1@118.05,108.95 DCDCB_C7.1@118.05,105.2 ; EMIBA_L2.1@118.15,103.108 EMIBA_L2.1@118.342,103.108 ; DCDCB_C7.1@118.25,105.4 DCDCB_C7.1@118.05,105.2 ; EMIBA_L2.1@118.35,103.1 EMIBA_L2.1@118.342,103.108 ; EMIBA_L1.1@120.936,103.108 EMIBA_L2.1@118.342,103.108 ; DCDCB_C7.1@118.05,105.2 118.05,103.4 EMIBA_L2.1@118.342,103.108
NetDCDCB_C4_1: DCDCB_C4.1 DCDCB_C5.2 DCDCB_C6.2 DCDCB_C10.1 DCDCB_C11.1 DCDCB_C13.1 DCDCB_L1.1 DCDCB_R1.2 EMIBB_FB1.2 EMIBB_FB2.2 | length 20.7
  Top Layer w0.6: EMIBB_FB2.2@99.9,124.55 EMIBB_FB1.2@102.15,124.55
  Top Layer w1: EMIBB_FB1.2@102.15,124.55 102.2,124.6 DCDCB_C10.1@104.55,124.6 DCDCB_C11.1@106.8,124.6 DCDCB_C13.1@109.05,124.6 DCDCB_C6.2@111.3,124.6 DCDCB_C5.2@113.55,124.6 ; DCDCB_C4.1@113.55,125.603 DCDCB_C5.2@113.55,124.6 ; DCDCB_L1.1@117.05,124.45 116.9,124.6 DCDCB_C5.2@113.55,124.6
  Bottom Layer w0.6: DCDCB_R1.2@113.6,122.655 v2(113.6,125.15)
  other v2: 97.663,125.603 98.298,125.603 98.933,125.603 97.917,126.238 98.552,126.238
NetDCDCB_C7_2: DCDCB_C7.2 DCDCB_C14.1 | length 1.5
  Top Layer w1: DCDCB_C14.1@113.55,105.2 DCDCB_C7.2@115.05,105.2
NetDCDCB_C8_2: DCDCB_C8.2 DCDCB_C15.1 | length 1.5
  Top Layer w1: DCDCB_C15.1@113.55,108.45 DCDCB_C8.2@115.05,108.45
NetDCDCB_C9_1: DCDCB_C9.1 DCDCB_D1.K DCDCB_L1.2 DCDCB_U1.8 | length 16.2
  Top Layer w0.6: DCDCB_U1.8@119.3,111.45 121.73,111.45 DCDCB_D1.K@122.31,110.87
  Top Layer w0.8: DCDCB_C9.1@122.693,117.475 125.423,117.475 125.55,117.602
  Top Layer w1.5: 125.55,114.45 125.55,117.602 DCDCB_L1.2@125.55,124.45
NetDCDCB_C9_2: DCDCB_C9.2 DCDCB_U1.1 | length 1.5
  Top Layer w0.6: DCDCB_U1.1@119.38,117.327 DCDCB_C9.2@120.9,117.327
NetDCDCB_C10_2: DCDCB_C10.2 DCDCB_C16.1 | length 1.7
  Top Layer w1: DCDCB_C16.1@104.55,119.6 DCDCB_C10.2@104.55,121.3
NetDCDCB_C11_2: DCDCB_C11.2 DCDCB_C17.1 | length 1.7
  Top Layer w1: DCDCB_C17.1@106.8,119.6 DCDCB_C11.2@106.8,121.3
NetDCDCB_C13_2: DCDCB_C13.2 DCDCB_C18.1 | length 1.7
  Top Layer w1: DCDCB_C18.1@109.05,119.6 DCDCB_C13.2@109.05,121.3
NetDCDCB_C19_1: DCDCB_C19.1 DCDCB_R1.1 DCDCB_R2.2 | length 2.7
  Bottom Layer w0.6: DCDCB_R1.1@113.627,120.855 DCDCB_C19.1@113.627,119.607 115.043,119.607 DCDCB_R2.2@115.05,119.6 DCDCB_R2.2@115.1,119.65
NetDCDCB_C19_2: DCDCB_C19.2 DCDCB_C20.1 DCDCB_C21.1 DCDCB_R2.1 DCDCB_R3.2 DCDCB_U1.4 | length 11.4
  Top Layer w0.6: DCDCB_U1.4@115.49,116.85 115.49,117.903 115.937,118.35 v1(116.4,118.35)
  Bottom Layer w0.6: DCDCB_C20.1@110.3,116.35 DCDCB_R3.2@112.6,116.35 DCDCB_C21.1@115.05,116.35 DCDCB_R2.1@115.05,117.8 ; DCDCB_C19.2@113.627,117.807 115.043,117.807 DCDCB_R2.1@115.05,117.8 ; v1(116.4,118.35) 115.85,117.8 DCDCB_R2.1@115.05,117.8
NetDCDCB_C20_2: DCDCB_C20.2 DCDCB_R5.2 | length 1.2
  Bottom Layer w0.6: DCDCB_R5.2@110.2,113.35 DCDCB_C20.2@110.2,114.55
NetDCDCB_R3_1: DCDCB_R3.1 DCDCB_R4.2 | length 1.2
  Bottom Layer w0.6: DCDCB_R4.2@112.6,113.35 DCDCB_R3.1@112.6,114.55
NetDCDCX_C1_2: DCDCX_C1.2 DCDCX_C3.1 DCDCX_C4.1 DCDCX_L1.2 DCDCX_R3.1 DCDCX_U1.3 EMIXI_L1.1 EMIXI_L2.1 EMIXI_R2.2 | length 32.2
  Top Layer w0.4: DCDCX_U1.3@56.929,86.102 56.929,83.838 DCDCX_C3.1@57.366,83.401 ; DCDCX_R3.1@57.493,94.207 57.493,95.042 57.112,95.423 57.112,96.609 57.625,97.122 v1(58.47,97.122)
  Top Layer w0.7: EMIXI_L2.1@56.604,77.051 57.582,76.073 EMIXI_R2.2@58.675,76.073
  Top Layer w1: EMIXI_L2.1@56.604,77.051 v2(57.366,77.813) DCDCX_C4.1@57.366,80.353
  Signal 1 w0.3: v2(58.255,81.877) 58.255,85.941 60.198,87.884 60.198,91.313 59.055,92.456 59.055,96.537 v1(58.47,97.122)
  Bottom Layer w1: EMIXI_L1.1@55.461,76.67 56.604,77.813 v2(57.366,77.813)
NetDCDCX_C2_2: DCDCX_C2.2 DCDCX_C5.1 DCDCX_C6.1 DCDCX_D1.K DCDCX_R2.2 EMIXO_FB1.2 | length 3.7
  Bottom Layer w0.4: DCDCX_R2.2@60.16,92.164 60.16,91.529 60.668,91.021 62.192,91.021 v2(62.7,90.513) v2@62.7,90.64
NetDCDCX_C7_1: DCDCX_C7.1 DCDCX_C8.1 DCDCX_U1.2 | length 6.9
  Top Layer w0.4: v2(55.842,84.036) 55.842,84.544 56.279,84.981 DCDCX_U1.2@56.279,86.102
  Bottom Layer w0.4: v2(55.842,84.036) 57.874,84.036 58.625,84.787 DCDCX_C7.1@60.16,84.787
NetDCDCX_C7_2: DCDCX_C7.2 DCDCX_R11.1 | length 1.2
  Bottom Layer w0.4: DCDCX_C7.2@60.16,86.587 DCDCX_R11.1@60.16,87.835
NetDCDCX_C9_1: DCDCX_C9.1 DCDCX_U1.7 | length 3.9
  Top Layer w0.4: DCDCX_C9.1@53.556,91.909 53.809,91.656 55.921,91.656 56.279,91.298 DCDCX_U1.7@56.279,90.352
NetDCDCX_D1_A: DCDCX_D1.A DCDCX_L1.1 DCDCX_U1.4
NetDCDCX_R1_1: DCDCX_R1.1 DCDCX_R5.1 DCDCX_R6.1 | length 2.4
  Bottom Layer w0.4: DCDCX_R6.1@55.715,90.64 55.715,89.508 DCDCX_R5.1@55.726,89.497 55.737,89.486 DCDCX_R1.1@56.985,89.486
NetDCDCX_R1_2: DCDCX_R1.2 DCDCX_R2.1 | length 1.7
  Bottom Layer w0.5: DCDCX_R1.2@56.985,91.286 57.25,91.286 58.128,92.164 DCDCX_R2.1@58.371,92.164
NetDCDCX_R3_2: DCDCX_R3.2 DCDCX_R8.1 DCDCX_U1.5 | length 3.2
  Top Layer w0.4: DCDCX_U1.5@57.579,90.352 57.579,92.321 DCDCX_R3.2@57.493,92.407 DCDCX_R8.1@58.636,92.407
NetDCDCX_R5_2: DCDCX_R5.2 DCDCX_R6.2 DCDCX_R7.1 DCDCX_U1.1 | length 12.2
  Top Layer w0.4: v2(53.594,85.471) 54.998,85.471 DCDCX_U1.1@55.629,86.102
  Bottom Layer w0.4: v2(53.594,85.471) 53.594,85.522 52.413,86.703 52.413,90.767 53.429,91.783 53.721,91.783 53.721,90.845 DCDCX_R6.2@53.926,90.64 DCDCX_R5.2@53.926,89.497
NetDCDCX_R7_2: "MPPT_C4_MPPTX Interface to uC.2" "MPPT_R4_MPPTX Interface to uC.1" "MPPT_U1_MPPTX Interface to uC.1" DCDCX_R7.2 | length 4.1
  Bottom Layer w0.4: 55.334,93.042 55.666,92.71 56.642,92.71 57.366,93.434 58.382,93.434 ; DCDCX_R7.2@55.499,92.01 55.499,92.583
NetDCDCX_R9_1: DCDCX_R9.1 DCDCX_U1.6 | length 2.8
  Top Layer w0.4: DCDCX_R9.1@56.35,92.915 56.604,92.661 56.604,91.826 56.929,91.501 DCDCX_U1.6@56.929,90.352
NetDCDCX_R9_2: DCDCX_R9.2 DCDCX_R10.1 | length 1.1
  Top Layer w0.4: DCDCX_R10.1@55.207,94.715 DCDCX_R9.2@56.35,94.715